# KiCad board paws60.kicad_pcb (continued)
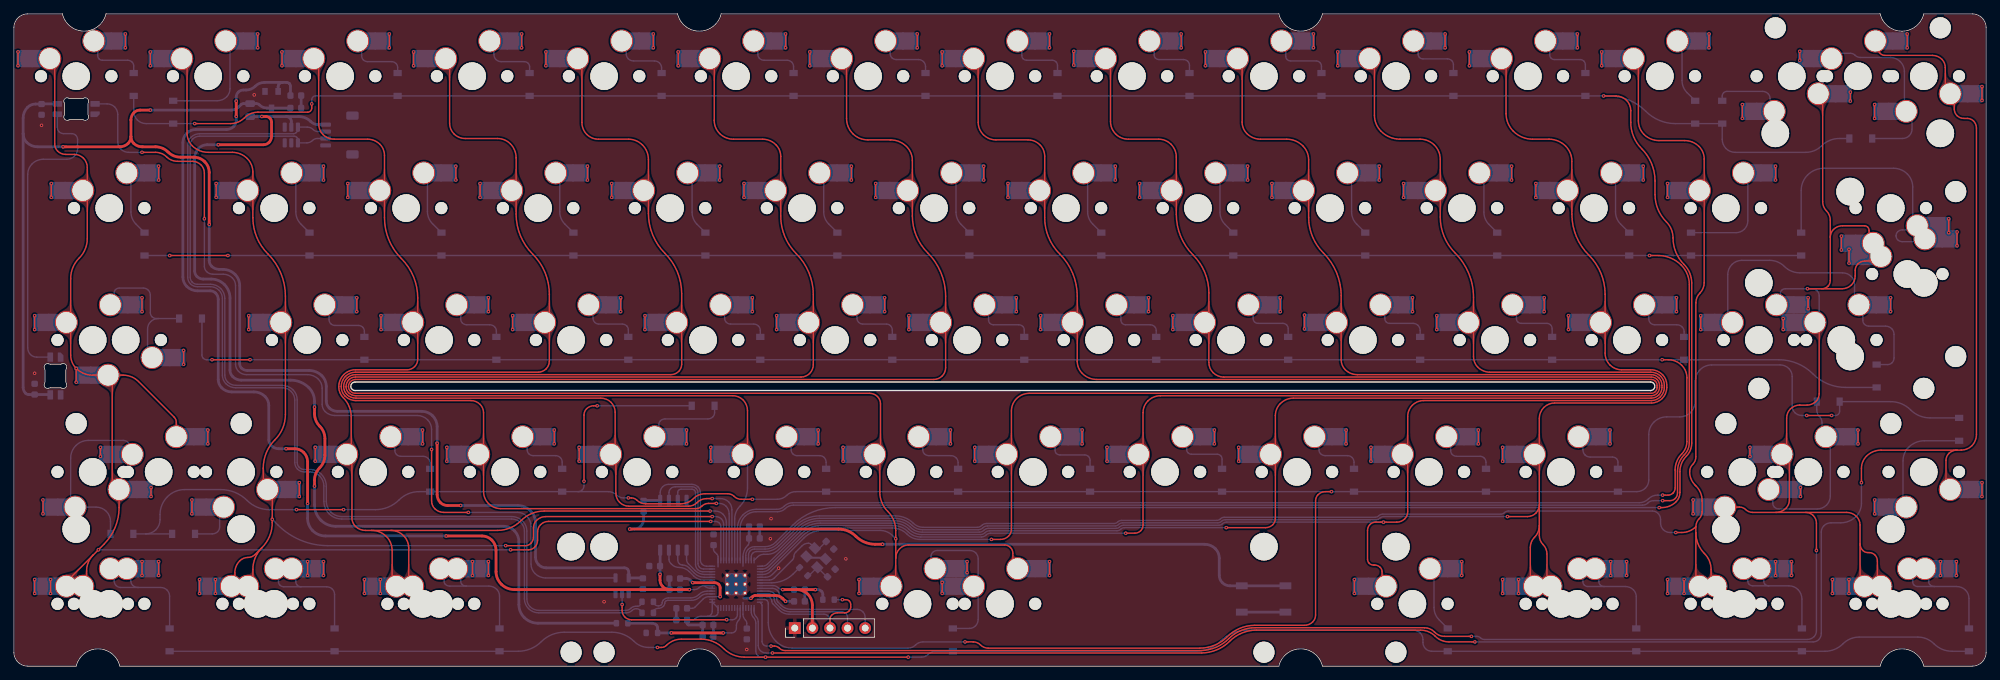
[diagram p0: board, top side]
## Routing (per net, layer and track width the routed paths; a pad name or vN(x,y) marks a point on that pad's centre or on a via; arc(x,y) is an arc through that point) (continued)
D+: length 9.7
  Bottom w0.2: R6.1 92.33,9.08 92.45,8.95 arc(92.73,8.76) 93.05,8.7 arc(93.28,8.75) 93.48,8.88 arc(93.57,9.01) 93.6,9.17 93.6,9.19 arc(93.64,9.38) 93.75,9.55 arc(94.09,9.77) 94.49,9.85 97.71,9.85 arc(98.35,9.98) 98.89,10.34 arc(99.43,10.71) 100.08,10.83 U1.47
D-: length 9.8
  Bottom w0.2: U1.46 100.05,10.43 arc(99.52,10.33) 99.07,10.03 arc(98.49,9.64) 97.81,9.5 94.41,9.5 arc(94.22,9.47) 94.06,9.36 arc(93.98,9.24) 93.95,9.09 93.95,9.06 arc(93.91,8.87) 93.8,8.71 93.71,8.62 arc(93.42,8.42) 93.06,8.35 arc(92.68,8.27) 92.36,8.06 92.33,8.03 R7.1
FLASH_nCS: length 22.6
  Bottom w0.2: U1.56 99.99,14.43 arc(99.65,14.5) 99.36,14.7 arc(99.17,14.98) 99.1,15.32 99.1,25.07 arc(99.01,25.51) 98.76,25.88 arc(98.35,26.16) 97.86,26.25 94.49,26.25 arc(94.04,26.16) 93.65,25.9 arc(93.39,25.51) 93.3,25.05 U2.1
  Bottom w0.4: U2.1 93.27,23.93 90.9,23.93
FLASH_SCK: length 7.4
  Bottom w0.2: U2.6 95.84,15.33 arc(95.89,15.04) 96.06,14.8 arc(96.27,14.65) 96.53,14.6 arc(97.01,14.51) 97.42,14.23 98.23,13.42 arc(98.88,12.99) 99.65,12.83 U1.52
FLASH_SD0: length 6
  Bottom w0.2: U2.5 97.1,15.4 arc(97.17,15.07) 97.36,14.79 98.33,13.82 arc(98.98,13.39) 99.74,13.23 U1.53
FLASH_SD1: length 19
  Bottom w0.2: U2.2 94.57,25.05 arc(94.63,25.36) 94.81,25.63 arc(95.11,25.83) 95.46,25.9 97.91,25.9 arc(98.22,25.84) 98.48,25.67 98.5,25.65 arc(98.68,25.37) 98.75,25.05 98.75,14.83 arc(98.81,14.53) 98.98,14.27 arc(99.24,14.1) 99.56,14.03 U1.55
FLASH_SD2: length 17.6
  Bottom w0.2: U2.3 95.84,25.13 arc(95.86,25.28) 95.95,25.4 arc(96.12,25.51) 96.31,25.55 97.88,25.55 arc(98.08,25.51) 98.25,25.4 arc(98.36,25.24) 98.4,25.05 98.4,14.69 arc(98.48,14.29) 98.71,13.95 arc(99.05,13.72) 99.46,13.63 U1.54
FLASH_SD3: length 8.7
  Bottom w0.2: U2.7 94.57,15.44 arc(94.63,15.12) 94.81,14.84 94.95,14.7 arc(95.45,14.37) 96.03,14.25 arc(96.84,14.09) 97.52,13.63 98.14,13.02 arc(98.79,12.59) 99.55,12.43 U1.51
Row0: length 460.5
  Top w0.2: v1(237.5,22.9) 237.9,22.9 arc(239.01,23.12) 239.95,23.75 arc(240.36,24.36) 240.5,25.08 240.5,28.09 arc(240.74,29.3) 241.43,30.33 arc(242,31.18) 242.2,32.19 242.2,55.32 arc(241.91,56.78) 241.08,58.02 arc(239.91,59.77) 239.5,61.84 arc(239.25,63.1) 238.54,64.16 arc(237.33,65.98) 236.9,68.12 236.9,70.07 arc(236.4,72.59) 234.97,74.73 arc(233.81,76.47) 233.4,78.52 233.4,80.23 arc(233.24,81.03) 232.79,81.71 arc(232.09,82.18) 231.27,82.34 v1(229.48,82.34) ; v1(26.11,78.35) 31.26,78.35 arc(32.36,78.57) 33.29,79.19 arc(34.19,79.79) 35.24,80 42.4,80 arc(42.82,80.18) 43,80.6 v1(43,81.2)
  Bottom w0.2: D15.1 263.49,76.2 arc(262.11,75.93) 260.94,75.14 arc(259.9,74.45) 258.66,74.2 248.47,74.2 arc(247.76,74.34) 247.16,74.74 arc(246.74,75.36) 246.6,76.09 D14.1 D13.1 239.84,78.35 arc(237.54,78.81) 235.59,80.11 arc(233.11,81.77) 230.19,82.35 229.49,82.35 v1(229.48,82.34) 229.47,82.35 D12.1 D3.1 43.55,82.35 arc(43.16,82.19) 43,81.8 v1(43,81.2) ; v1(237.5,22.9) 118.58,22.9 arc(115.25,22.24) 112.43,20.35 109.96,17.88 arc(109.26,17.42) 108.44,17.25 106.94,17.25 arc(106.44,17.15) 106.01,16.86 arc(105.74,16.47) 105.65,16.01 U1.11 ; D1.1 17.3,80.14 arc(17.44,79.46) 17.82,78.88 arc(18.41,78.49) 19.09,78.35 D2.1 26.11,78.35 ; 26.11,78.35 v1(26.11,78.35) 26.11,78.35
Row1: length 420.2
  Top w0.2: v1(30.9,59.3) v1(22.5,59.3) ; v1(238,23.9) 239.05,23.9 arc(239.47,23.98) 239.82,24.22 arc(240.06,24.59) 240.15,25.02 240.15,28.17 arc(240.4,29.44) 241.12,30.52 arc(241.66,31.32) 241.85,32.27 241.85,55.11 arc(241.55,56.63) 240.69,57.92 arc(239.16,58.94) 237.35,59.3 v1(236.1,59.3)
  Bottom w0.2: v1(30.9,59.3) D27.1 v1(236.1,59.3) D28.1 D29.1 ; U1.9 104.85,19.96 arc(105.03,20.87) 105.55,21.65 arc(106.27,22.13) 107.12,22.3 110.24,22.3 arc(110.85,22.42) 111.36,22.76 arc(111.9,23.12) 112.54,23.25 235.12,23.25 arc(235.52,23.33) 235.85,23.55 arc(236.24,23.81) 236.69,23.9 v1(238,23.9) ; D16.1 v1(22.5,59.3)
Row2: length 412.6
  Top w0.2: v1(28.6,44.25) 34.09,44.25 v1(34.09,44.25) ; v1(238,24.7) 238.79,24.7 arc(239.17,24.78) 239.49,24.99 239.51,25.01 arc(239.72,25.33) 239.8,25.72 239.8,28.34 arc(240.05,29.59) 240.76,30.64 arc(241.31,31.47) 241.5,32.44 241.5,41.66 arc(241.31,42.62) 240.76,43.44 arc(239.86,44.04) 238.8,44.25 237.95,44.25
  Bottom w0.2: v1(34.09,44.25) 34.1,44.25 D31.1 237.93,44.25 v1(237.93,44.25) D41.1 254.77,44.25 arc(257.43,43.72) 259.69,42.21 arc(261.86,40.76) 264.42,40.25 D42.1 ; v1(28.6,44.25) 27.84,44.25 arc(27.57,44.3) 27.35,44.45 arc(27.2,44.67) 27.15,44.93 D30.1 ; v1(238,24.7) 237.27,24.7 arc(236.56,24.56) 235.96,24.16 arc(235.34,23.74) 234.61,23.6 112.43,23.6 arc(111.76,23.47) 111.19,23.09 arc(110.71,22.76) 110.13,22.65 107.17,22.65 arc(106.14,22.44) 105.26,21.86 arc(104.66,20.96) 104.45,19.89 U1.8
Row3: length 432
  Top w0.2: v1(84.2,37.6) 83.7,37.6 arc(83.15,37.49) 82.68,37.18 arc(82.4,36.76) 82.3,36.27 v1(82.3,26.7) ; v1(258.8,36.2) v1(262.4,36.2) ; v1(106.6,24.1) 104.98,24.1 arc(104.44,24.21) 103.99,24.51 arc(103.56,24.8) 103.04,24.9 99.78,24.9 arc(98.87,24.72) 98.1,24.2 arc(97.27,23.64) 96.28,23.45 91.2,23.45 arc(90.51,23.59) 89.92,23.98 arc(89.56,24.22) 89.14,24.3 v1(88.7,24.3) ; v1(190.2,25.2) 189.3,25.2 arc(188.75,25.09) 188.27,24.77 arc(188,24.36) 187.9,23.87 187.9,7.38 arc(187.79,6.84) 187.49,6.39 arc(186.95,6.03) 186.3,5.9 179.13,5.9 arc(176.99,5.47) 175.17,4.26 arc(173.33,3.03) 171.16,2.6 140.67,2.6 arc(140.05,2.72) 139.53,3.07 arc(139.05,3.39) 138.49,3.5 v1(137.3,3.5) ; v1(40.8,22.6) v1(47.6,22.6)
  Bottom w0.2: D56.1 276.59,35.85 arc(275.07,36.15) 273.79,37.01 arc(272.47,37.89) 270.92,38.2 D55.1 263.55,36.83 arc(263.5,36.57) 263.35,36.35 arc(263.18,36.24) 262.98,36.2 v1(262.4,36.2) ; v1(137.3,3.5) 131.23,3.5 arc(130.65,3.38) 130.15,3.05 arc(129.65,2.72) 129.06,2.6 112.38,2.6 arc(111.1,2.85) 110.03,3.57 arc(109.19,4.82) 108.9,6.29 108.9,9.04 arc(108.85,9.28) 108.71,9.49 arc(108.55,9.6) 108.35,9.63 U1.27 ; v1(258.8,36.2) 258.07,36.2 arc(257.54,36.31) 257.09,36.61 arc(256.8,37.04) 256.7,37.56 256.7,41.83 arc(256.58,42.45) 256.23,42.97 arc(255.64,43.36) 254.96,43.5 245.07,43.5 arc(244.17,43.32) 243.41,42.81 arc(242.89,42.02) 242.7,41.09 242.7,38.21 arc(242.53,37.37) 242.06,36.66 arc(241.33,36.17) 240.47,36 238.58,36 arc(237.58,35.8) 236.73,35.23 arc(236.19,34.42) 236,33.46 236,26.88 arc(235.87,26.25) 235.52,25.72 arc(234.94,25.33) 234.27,25.2 D54.1 D53.1 v1(190.2,25.2) D48.1 112.87,25.2 arc(112.16,25.06) 111.56,24.66 arc(110.94,24.24) 110.21,24.1 v1(106.6,24.1) ; v1(40.8,22.6) 36.86,22.6 arc(35.14,22.94) 33.68,23.92 arc(31.93,25.09) 29.86,25.5 24.65,25.5 arc(23.31,25.23) 22.18,24.48 arc(21.38,23.28) 21.1,21.88 21.1,21.14 arc(20.95,20.36) 20.51,19.71 arc(19.83,19.26) 19.04,19.1 ; v1(47.6,22.6) 52.2,22.6 arc(54.05,22.97) 55.61,24.01 arc(56.93,24.89) 58.48,25.2 D45.1 D46.1 81.46,25.2 ; v1(82.3,26.7) 82.3,26.07 arc(82.23,25.73) 82.04,25.44 arc(81.77,25.26) 81.46,25.2 ; 81.46,25.2 85.82,25.2 arc(86.45,25.07) 86.98,24.72 arc(87.44,24.41) 87.99,24.3 v1(88.7,24.3) ; D43.1 19.04,19.1 ; 19.04,19.1 D44.1 ; D47.1 v1(84.2,37.6)
Row4: length 274.4
  Top w0.2: v1(129.1,1.3) v1(108.5,1.3) 105.47,1.3 arc(103.83,1.62) 102.45,2.55 arc(100.95,3.55) 99.19,3.9 96.36,3.9 arc(95.2,3.67) 94.21,3.01 94.19,2.99 arc(93.87,2.78) 93.49,2.7 v1(92.9,2.7)
  Bottom w0.2: v1(92.9,2.7) 91.64,2.7 arc(90.49,2.93) 89.52,3.58 arc(88.06,4.56) 86.33,4.9 79.44,4.9 arc(77.65,4.54) 76.13,3.53 arc(74.6,2.51) 72.8,2.15 D59.1 D57.1 ; v1(108.5,1.3) 107.92,1.3 arc(107.62,1.36) 107.37,1.53 arc(107.17,1.83) 107.1,2.19 107.1,6.22 arc(107.01,6.66) 106.76,7.04 arc(106.53,7.38) 106.45,7.79 U1.30 ; v1(129.1,1.3) 131.02,1.3 arc(131.56,1.41) 132.01,1.71 arc(132.5,2.04) 133.07,2.15 D60.1 170.63,2.15 arc(172.59,2.54) 174.25,3.65 arc(175.97,4.8) 177.99,5.2 202.02,5.2 arc(202.56,5.09) 203.01,4.79 arc(203.3,4.36) 203.4,3.85 203.4,3.42 arc(203.5,2.94) 203.77,2.53 arc(204.19,2.25) 204.69,2.15 D61.1 D63.1 261.44,2.15 arc(262.84,2.43) 264.02,3.22 arc(265.11,3.94) 266.39,4.2 274.83,4.2 arc(276.1,3.95) 277.17,3.23 arc(278.37,2.43) 279.78,2.15 D64.1
SWCLK: length 18.7
  Bottom w0.2: U1.24 108.87,10.83 arc(109.38,10.73) 109.81,10.45 arc(110.02,10.12) 110.1,9.74 arc(110.15,9.48) 110.3,9.25 110.77,8.79 arc(111.42,8.35) 112.18,8.2 121.71,8.2 arc(122.16,8.11) 122.55,7.85 arc(122.8,7.48) 122.89,7.04 J2.5
SWDIO: length 15.9
  Bottom w0.2: J2.4 120.35,7.01 arc(120.28,7.33) 120.1,7.6 arc(119.82,7.79) 119.5,7.85 112.04,7.85 arc(111.27,8) 110.62,8.44 110.05,9.01 arc(109.83,9.34) 109.75,9.74 arc(109.7,9.98) 109.56,10.19 arc(109.29,10.37) 108.97,10.43 U1.25
XTAL1: length 12.7
  Bottom w0.2: U1.20 109.05,12.43 arc(109.45,12.51) 109.79,12.74 112.4,15.35 arc(112.55,15.58) 112.6,15.84 arc(112.67,16.17) 112.85,16.45 113.77,17.37 arc(114.19,17.65) 114.69,17.75 arc(114.89,17.72) 115.05,17.61 Y1.3 116.28,17.03 C13.1
XTAL2: length 6.5
  Bottom w0.2: R2.1 112.51,13.33 arc(111.08,12.37) 109.38,12.03 U1.21
~{NRST}: length 21.3
  Top w0.2: J2.3 117.81,6.75 arc(117.87,7.08) 118.06,7.36 arc(118.44,7.61) 118.88,7.7 119.94,7.7 arc(120.27,7.77) 120.56,7.96 arc(120.74,8.23) 120.8,8.54 120.8,8.91 arc(120.75,9.18) 120.59,9.41 arc(120.38,9.55) 120.12,9.6 v1(119.6,9.6)
  Bottom w0.2: R1.2 v1(119.6,9.6) ; J2.3 117.81,6.65 arc(117.74,6.97) 117.56,7.24 arc(117.27,7.43) 116.93,7.5 111.89,7.5 arc(111.13,7.65) 110.48,8.09 109.55,9.02 arc(109.44,9.18) 109.4,9.37 109.4,9.39 arc(109.35,9.63) 109.22,9.84 arc(109,9.98) 108.74,10.03 U1.26
Net-(C14-Pad1): length 3.9
  Bottom w0.2: R2.2 114.77,13.07 Y1.1 117.35,12.91 C14.1
Net-(D1-A): length 11.4
  Top w0.2: v1(16.1,91.3) v1(16.1,89.3)
  Bottom w0.2: D1.2 17.3,86.68 arc(17.24,86.98) 17.07,87.23 arc(16.77,87.43) 16.42,87.5 12.77,87.5 arc(12.52,87.55) 12.31,87.69 arc(12.15,87.92) 12.1,88.19 12.1,89.72 MX1.2
Net-(D2-A): length 18.3
  Top w0.2: v1(35.2,91.3) v1(35.2,89.3)
  Bottom w0.2: MX2.2 31.2,89.67 31.2,83.38 arc(31.07,82.75) 30.72,82.22 arc(30.09,81.8) 29.35,81.65 D2.2
Net-(D3-A): length 11.3
  Top w0.2: v1(54.2,91.3) v1(54.2,89.3)
  Bottom w0.2: MX3.2 50.2,89.72 50.2,88.16 arc(50.27,87.83) 50.45,87.55 arc(50.73,87.36) 51.05,87.3 54.52,87.3 arc(54.87,87.23) 55.17,87.03 arc(55.34,86.78) 55.4,86.47 D3.2
Net-(D4-A): length 11.3
  Top w0.2: v1(73.3,91.3) v1(73.3,89.3)
  Bottom w0.2: D4.2 74.45,86.55 arc(74.39,86.83) 74.24,87.06 arc(73.97,87.24) 73.66,87.3 70.33,87.3 arc(69.93,87.38) 69.59,87.61 arc(69.38,87.93) 69.3,88.32 69.3,89.67 MX4.2
Net-(D5-A): length 11.1
  Top w0.2: v1(92.3,91.3) v1(92.3,89.3)
  Bottom w0.2: MX5.2 88.4,89.62 88.4,88.39 arc(88.47,88.03) 88.68,87.72 arc(89.03,87.48) 89.45,87.4 92.47,87.4 arc(92.87,87.32) 93.21,87.09 arc(93.42,86.77) 93.5,86.38 D5.2
Net-(D6-A): length 11.3
  Top w0.2: v1(111.4,91.3) v1(111.4,89.3)
  Bottom w0.2: D6.2 112.55,86.56 arc(112.48,86.92) 112.28,87.22 arc(111.97,87.43) 111.61,87.5 108.29,87.5 arc(107.93,87.57) 107.62,87.78 arc(107.46,88.02) 107.4,88.31 107.4,89.67 MX6.2
Net-(D7-A): length 11.2
  Top w0.2: v1(130.4,91.3) v1(130.4,89.3)
  Bottom w0.2: MX7.2 126.5,89.62 126.5,88.45 arc(126.56,88.13) 126.74,87.86 arc(127.03,87.67) 127.36,87.6 130.57,87.6 arc(130.97,87.52) 131.3,87.3 arc(131.52,86.97) 131.6,86.58 D7.2
Net-(D8-A): length 11.4
  Top w0.2: v1(149.5,91.3) v1(149.5,89.3)
  Bottom w0.2: D8.2 150.65,86.74 arc(150.59,87.03) 150.43,87.27 arc(150.18,87.44) 149.87,87.5 146.2,87.5 arc(145.92,87.56) 145.69,87.71 arc(145.55,87.92) 145.5,88.17 145.5,89.67 MX8.2
Net-(D9-A): length 11.3
  Top w0.2: v1(168.5,91.3) v1(168.5,89.3)
  Bottom w0.2: D9.2 169.7,86.75 arc(169.64,87.07) 169.45,87.35 arc(169.17,87.54) 168.85,87.6 165.3,87.6 arc(165.02,87.65) 164.79,87.81 arc(164.65,88.02) 164.6,88.27 164.6,89.62 MX9.2
Net-(D10-A): length 11.4
  Top w0.2: v1(187.6,91.3) v1(187.6,89.3)
  Bottom w0.2: D10.2 188.75,86.63 arc(188.69,86.93) 188.52,87.18 arc(188.28,87.34) 187.98,87.4 184.31,87.4 arc(184.02,87.46) 183.78,87.62 arc(183.65,87.82) 183.6,88.06 183.6,89.67 MX10.2
Net-(D11-A): length 11.3
  Top w0.2: v1(206.6,91.3) v1(206.6,89.3)
  Bottom w0.2: D11.2 207.8,86.85 arc(207.74,87.17) 207.56,87.44 arc(207.27,87.63) 206.94,87.7 203.39,87.7 arc(203.12,87.75) 202.89,87.91 arc(202.75,88.12) 202.7,88.37 202.7,89.62 MX11.2
Net-(D12-A): length 11.4
  Top w0.2: v1(225.7,91.3) v1(225.7,89.3)
  Bottom w0.2: MX12.2 221.7,89.67 221.7,88.27 arc(221.75,88.02) 221.89,87.81 arc(222.12,87.65) 222.39,87.6 226.08,87.6 arc(226.38,87.54) 226.63,87.37 arc(226.79,87.13) 226.85,86.83 D12.2
Net-(D13-A): length 11.6
  Top w0.2: v1(244.7,91.3) v1(244.7,89.3)
  Bottom w0.2: MX13.2 240.8,89.62 240.8,84.59 arc(240.99,83.63) 241.53,82.82 D13.2
Net-(D14-A): length 12.6
  Top w0.2: v1(249.5,81.1) v1(249.5,79.1)
  Bottom w0.2: MX14.2 253.5,80.73 253.5,82.02 arc(253.43,82.37) 253.23,82.67 arc(252.86,82.91) 252.43,83 247.28,83 arc(247.02,82.95) 246.8,82.8 arc(246.65,82.58) 246.6,82.31 D14.2
Net-(D15-A): length 30.8
  Top w0.2: v1(257.8,88.8) v1(257.8,87.5) ; v1(268.6,81.1) v1(268.6,79.1)
  Bottom w0.2: D15.2 272.63,76.2 arc(273.16,76.3) 273.6,76.6 arc(273.9,77.04) 274,77.56 274,79.28 MX16.2 272.9,80.38 272.9,85.87 arc(272.75,86.64) 272.31,87.29 272.29,87.31 arc(271.64,87.75) 270.87,87.9 266.55,87.9 arc(266.13,87.98) 265.78,88.22 arc(265.47,88.43) 265.11,88.5 263.13,88.5 MX15.1
Net-(D16-A): length 11.6
  Top w0.2: v1(20.9,72.2) v1(20.9,70.2)
  Bottom w0.2: D16.2 17.63,63.83 arc(17.09,64.64) 16.9,65.6 16.9,70.63 MX17.2
Net-(D17-A): length 11.6
  Top w0.2: v1(44.7,72.2) v1(44.7,70.2)
  Bottom w0.2: D17.2 41.43,63.84 arc(40.89,64.65) 40.7,65.61 40.7,70.65 MX18.2
Net-(D18-A): length 11.6
  Top w0.2: v1(63.8,72.2) v1(63.8,70.2)
  Bottom w0.2: MX19.2 59.7,70.7 59.7,65.66 arc(59.89,64.7) 60.43,63.89 D18.2
Net-(D19-A): length 11.6
  Top w0.2: v1(82.8,72.2) v1(82.8,70.2)
  Bottom w0.2: D19.2 79.53,63.84 arc(78.99,64.65) 78.8,65.61 78.8,70.65 MX20.2
Net-(D20-A): length 11.6
  Top w0.2: v1(101.9,72.2) v1(101.9,70.2)
  Bottom w0.2: MX21.2 97.9,70.6 97.9,65.56 arc(98.09,64.6) 98.63,63.79 D20.2
Net-(D21-A): length 11.6
  Top w0.2: v1(120.9,72.2) v1(120.9,70.2)
  Bottom w0.2: D21.2 117.63,63.84 arc(117.09,64.65) 116.9,65.61 116.9,70.65 MX22.2
Net-(D22-A): length 11.6
  Top w0.2: v1(140,72.2) v1(140,70.2)
  Bottom w0.2: MX23.2 136,70.6 136,65.56 arc(136.19,64.6) 136.73,63.79 D22.2
Net-(D23-A): length 11.6
  Top w0.2: v1(159,72.2) v1(159,70.2)
  Bottom w0.2: MX24.2 155,70.65 155,65.61 arc(155.19,64.65) 155.73,63.84 D23.2
Net-(D24-A): length 11.6
  Top w0.2: v1(178.1,72.2) v1(178.1,70.2)
  Bottom w0.2: D24.2 174.83,63.79 arc(174.29,64.6) 174.1,65.56 174.1,70.6 MX25.2
Net-(D25-A): length 11.6
  Top w0.2: v1(197.1,72.2) v1(197.1,70.2)
  Bottom w0.2: MX26.2 193.1,70.65 193.1,65.61 arc(193.29,64.65) 193.83,63.84 D25.2
Net-(D26-A): length 11.6
  Top w0.2: v1(216.2,70.2) v1(216.2,72.2)
  Bottom w0.2: MX27.2 212.2,70.6 212.2,65.56 arc(212.39,64.6) 212.93,63.79 D26.2
Net-(D27-A): length 11.6
  Top w0.2: v1(235.2,72.2) v1(235.2,70.2)
  Bottom w0.2: 230.62,71.23 231.2,70.65 231.2,65.61 arc(231.39,64.65) 231.93,63.84 D27.2
Net-(D28-A): length 18.4
  Top w0.2: v1(254.3,72.2) v1(254.3,70.2)
  Bottom w0.2: D28.2 248.6,62.6 arc(249.25,62.73) 249.8,63.1 arc(250.17,63.65) 250.3,64.31 250.3,70.6 MX29.2
Net-(D29-A): length 44
  Top w0.2: v1(280.5,62.7) v1(280.5,60.7) ; v1(279.3,64.6) v1(279.3,62.6)
  Bottom w0.2: 275.86,61.71 275.45,61.3 272.59,61.3 arc(272.23,61.37) 271.92,61.58 arc(271.76,61.82) 271.7,62.11 271.7,62.18 arc(271.76,62.48) 271.93,62.73 arc(272.23,62.93) 272.59,63 274.14,63 MX30.1 274.1,64.26 274.1,69.2 arc(273.9,70.22) 273.33,71.07 arc(272.41,71.69) 271.33,71.9 261.28,71.9 arc(260,71.65) 258.93,70.93 arc(258.24,69.9) 258,68.69 D29.2
Net-(D30-A): length 26.1
  Top w0.2: v1(18.5,53.2) v1(18.5,51.2) ; v1(24.5,45.6) v1(24.5,43.6)
  Bottom w0.2: MX33.1 19.3,45.21 19.3,48.68 arc(19.41,49.25) 19.74,49.74 arc(20.25,50.08) 20.85,50.2 ; MX32.2 14.5,52.76 14.5,53.96 arc(14.54,54.18) 14.67,54.37 arc(14.92,54.54) 15.22,54.6 18.68,54.6 arc(19.07,54.52) 19.4,54.3 arc(19.62,53.97) 19.7,53.58 19.7,51.04 arc(19.76,50.73) 19.94,50.46 arc(20.23,50.27) 20.57,50.2 20.85,50.2 ; 20.85,50.2 D30.2
Net-(D31-A): length 11.3
  Top w0.2: v1(49.5,53.2) v1(49.5,51.2)
  Bottom w0.2: D31.2 50.6,48.35 arc(50.54,48.67) 50.35,48.95 arc(50.07,49.13) 49.74,49.2 46.37,49.2 arc(46.03,49.27) 45.74,49.46 arc(45.56,49.73) 45.5,50.04 45.5,51.56 MX34.2
Net-(D32-A): length 11.2
  Top w0.2: v1(68.5,53.2) v1(68.5,51.2)
  Bottom w0.2: D32.2 69.65,48.38 arc(69.58,48.72) 69.39,49.01 arc(69.07,49.22) 68.69,49.3 65.38,49.3 arc(65.03,49.37) 64.73,49.57 arc(64.56,49.82) 64.5,50.13 64.5,51.61 MX35.2
Net-(D33-A): length 11.3
  Top w0.2: v1(87.6,53.2) v1(87.6,51.2)
  Bottom w0.2: MX36.2 83.6,51.56 83.6,50.26 arc(83.67,49.93) 83.86,49.64 arc(84.13,49.46) 84.44,49.4 87.81,49.4 arc(88.17,49.33) 88.47,49.13 arc(88.64,48.88) 88.7,48.58 D33.2
Net-(D34-A): length 11.2
  Top w0.2: v1(106.6,53.2) v1(106.6,51.2)
  Bottom w0.2: D34.2 107.75,48.47 arc(107.68,48.82) 107.48,49.12 arc(107.17,49.33) 106.8,49.4 103.47,49.4 arc(103.13,49.47) 102.84,49.66 arc(102.66,49.93) 102.6,50.24 102.6,51.61 MX37.2
Net-(D35-A): length 11.3
  Top w0.2: v1(125.7,53.2) v1(125.7,51.2)
  Bottom w0.2: MX38.2 121.7,51.56 121.7,50.25 arc(121.77,49.93) 121.95,49.65 arc(122.23,49.46) 122.55,49.4 125.97,49.4 arc(126.28,49.34) 126.53,49.17 arc(126.73,48.87) 126.8,48.52 D35.2
Net-(D36-A): length 11.4
  Top w0.2: v1(144.7,53.2) v1(144.7,51.2)
  Bottom w0.2: MX39.2 140.7,51.61 140.7,49.96 arc(140.75,49.72) 140.89,49.51 arc(141.12,49.36) 141.4,49.3 145.06,49.3 arc(145.37,49.24) 145.64,49.06 arc(145.8,48.83) 145.85,48.56 D36.2
Net-(D37-A): length 11.3
  Top w0.2: v1(163.8,53.2) v1(163.8,51.2)
  Bottom w0.2: D37.2 164.9,48.46 arc(164.84,48.77) 164.66,49.04 arc(164.37,49.23) 164.03,49.3 160.48,49.3 arc(160.22,49.35) 160.01,49.49 arc(159.85,49.72) 159.8,49.99 159.8,51.56 MX40.2
Net-(D38-A): length 11.3
  Top w0.2: v1(182.8,53.2) v1(182.8,51.2)
  Bottom w0.2: MX41.2 178.9,51.51 178.9,50.16 arc(178.95,49.92) 179.08,49.72 arc(179.32,49.56) 179.61,49.5 183.18,49.5 arc(183.48,49.44) 183.73,49.27 arc(183.89,49.03) 183.95,48.74 D38.2
Net-(D39-A): length 11.3
  Top w0.2: v1(201.9,53.2) v1(201.9,51.2)
  Bottom w0.2: MX42.2 197.9,51.56 197.9,50.18 arc(197.95,49.92) 198.1,49.7 arc(198.32,49.55) 198.58,49.5 201.99,49.5 arc(202.37,49.42) 202.69,49.21 arc(202.92,48.87) 203,48.47 D39.2
Net-(D40-A): length 11.4
  Top w0.2: v1(220.9,53.2) v1(220.9,51.2)
  Bottom w0.2: D40.2 222.05,48.71 arc(221.99,49.02) 221.81,49.29 arc(221.58,49.45) 221.3,49.5 217.61,49.5 arc(217.32,49.56) 217.08,49.72 arc(216.95,49.92) 216.9,50.15 216.9,51.61 MX43.2
Net-(D41-A): length 11.2
  Top w0.2: v1(240,53.2) v1(240,51.2)
  Bottom w0.2: D41.2 241.1,48.31 arc(241.03,48.67) 240.82,48.98 arc(240.47,49.22) 240.05,49.3 236.87,49.3 arc(236.53,49.37) 236.24,49.56 arc(236.06,49.83) 236,50.14 236,51.56 MX44.2
Net-(D42-A): length 49.9
  Top w0.2: v1(270.9,53.2) v1(270.9,51.2) ; v1(243.5,50.6) v1(243.5,48.6)
  Bottom w0.2: MX46.1 247.4,50.32 247.4,56.52 arc(247.56,57.33) 248.02,58.02 arc(248.66,58.45) 249.42,58.6 253.45,58.6 arc(254.61,58.37) 255.58,57.72 arc(256.6,57.04) 257.8,56.8 263.96,56.8 arc(264.64,56.66) 265.22,56.28 arc(265.58,55.75) 265.7,55.12 265.7,52.81 MX45.2 266.9,51.61 266.9,49.94 arc(266.96,49.63) 267.14,49.36 arc(267.43,49.17) 267.76,49.1 270.18,49.1 arc(270.66,49.01) 271.07,48.73 arc(271.31,48.36) 271.4,47.93 271.4,44.5 arc(271.33,44.13) 271.11,43.81 arc(270.82,43.62) 270.48,43.55 D42.2
Net-(D43-A): length 30.5
  Top w0.2: v1(4.2,24) v1(4.2,22) ; v1(12.5,30.3) v1(12.5,31.6)
  Bottom w0.2: MX48.1 17.1,31.7 16.49,32.31 arc(16.17,32.52) 15.79,32.6 10.76,32.6 arc(9.78,32.41) 8.95,31.85 arc(8.4,31.02) 8.2,30.04 8.2,23.61 MX47.2 11.86,22.97 arc(12.66,22.81) 13.34,22.36 arc(13.79,21.68) 13.95,20.89 D43.2
Net-(D44-A): length 9.2
  Top w0.2: v1(25.7,24) v1(25.7,22)
  Bottom w0.2: D44.2 28.65,19.1 arc(29.07,19.18) 29.42,19.42 arc(29.63,19.73) 29.7,20.09 29.7,22.4 MX49.2
Net-(D45-A): length 11.2
  Top w0.2: v1(59,34.1) v1(59,32.1)
  Bottom w0.2: D45.2 60.1,29.29 arc(60.02,29.67) 59.81,29.99 arc(59.47,30.22) 59.06,30.3 55.88,30.3 arc(55.53,30.37) 55.23,30.57 arc(55.06,30.83) 55,31.13 55,32.53 MX50.2
Net-(D46-A): length 11.2
  Top w0.2: v1(78,34.1) v1(78,32.1)
  Bottom w0.2: D46.2 79.15,29.48 arc(79.08,29.82) 78.89,30.11 arc(78.57,30.33) 78.19,30.4 74.97,30.4 arc(74.63,30.47) 74.34,30.66 arc(74.16,30.93) 74.1,31.24 74.1,32.48 MX51.2
Net-(D47-A): length 14
  Top w0.2: v1(97.1,34.1) v1(97.1,32.1)
  Bottom w0.2: MX52.2 93.1,33.73 93.1,34.88 arc(93.16,35.18) 93.32,35.42 arc(93.63,35.63) 93.99,35.7 100.17,35.7 arc(100.57,35.78) 100.91,36.01 arc(101.09,36.28) 101.15,36.6 D47.2
Net-(D48-A): length 11.2
  Top w0.2: v1(116.1,34.1) v1(116.1,32.1)
  Bottom w0.2: MX53.2 112.2,32.48 112.2,31.26 arc(112.27,30.93) 112.45,30.65 arc(112.73,30.46) 113.05,30.4 116.33,30.4 arc(116.67,30.33) 116.96,30.14 arc(117.17,29.82) 117.25,29.44 D48.2
Net-(D49-A): length 11.2
  Top w0.2: v1(135.2,34.1) v1(135.2,32.1)
  Bottom w0.2: MX54.2 131.2,32.53 131.2,31.23 arc(131.26,30.92) 131.43,30.67 arc(131.73,30.47) 132.08,30.4 135.25,30.4 arc(135.67,30.32) 136.02,30.08 arc(136.23,29.77) 136.3,29.4 D49.2
Net-(D50-A): length 11.3
  Top w0.2: v1(154.2,34.1) v1(154.2,32.1)
  Bottom w0.2: D50.2 155.35,29.73 arc(155.29,30.03) 155.12,30.28 arc(154.88,30.44) 154.59,30.5 151.01,30.5 arc(150.72,30.56) 150.48,30.72 arc(150.35,30.92) 150.3,31.15 150.3,32.48 MX55.2
Net-(D51-A): length 11.4
  Top w0.2: v1(173.3,34.1) v1(173.3,32.1)
  Bottom w0.2: D51.2 174.4,29.92 arc(174.35,30.18) 174.2,30.4 arc(173.98,30.55) 173.72,30.6 170.01,30.6 arc(169.72,30.66) 169.48,30.82 arc(169.35,31.02) 169.3,31.26 169.3,32.53 MX56.2
Net-(D52-A): length 11.2
  Top w0.2: v1(192.3,34.1) v1(192.3,32.1)
  Bottom w0.2: MX57.2 188.4,32.48 188.4,31.22 arc(188.46,30.92) 188.63,30.67 arc(188.93,30.47) 189.29,30.4 192.51,30.4 arc(192.87,30.33) 193.17,30.13 arc(193.38,29.82) 193.45,29.46 D52.2
Net-(D53-A): length 11.2
  Top w0.2: v1(211.4,34.1) v1(211.4,32.1)
  Bottom w0.2: MX58.2 207.4,32.53 207.4,31.13 arc(207.46,30.83) 207.64,30.56 arc(207.93,30.37) 208.27,30.3 211.66,30.3 arc(211.97,30.24) 212.24,30.06 arc(212.43,29.77) 212.5,29.43 D53.2
Net-(D54-A): length 11.2
  Top w0.2: v1(230.4,34.1) v1(230.4,32.1)
  Bottom w0.2: D54.2 231.55,29.47 arc(231.5,29.73) 231.35,29.95 arc(231.07,30.14) 230.75,30.2 227.51,30.2 arc(227.13,30.28) 226.81,30.49 226.79,30.51 arc(226.58,30.83) 226.5,31.21 226.5,32.48 MX59.2
Net-(D55-A): length 29.7
  Top w0.2: v1(257.9,25.8) v1(257.9,24.5) ; v1(266.2,34.1) v1(266.2,32.1)
  Bottom w0.2: MX60.1 253.9,24.93 253.9,23.53 arc(253.96,23.23) 254.14,22.96 arc(254.43,22.77) 254.77,22.7 260.31,22.7 arc(261.04,22.85) 261.66,23.26 arc(262.06,23.86) 262.2,24.57 262.2,32.5 MX61.2 261,33.7 261,35.21 arc(260.91,35.66) 260.65,36.05 arc(260.35,36.49) 260.25,37.02 D55.2
Net-(D56-A): length 18.6
  Top w0.2: v1(268.6,24) v1(268.6,22)
  Bottom w0.2: D56.2 275.77,32.55 arc(274.55,32.31) 273.51,31.61 arc(272.91,30.71) 272.7,29.65 272.7,23.43 MX62.2
Net-(D57-A): length 23.5
  Top w0.2: v1(18.5,15.1) v1(18.5,13.1) ; v1(20.9,15.1) v1(20.9,13.1)
  Bottom w0.2: D57.2 22.48,10.09 arc(22.38,10.58) 22.11,10.99 arc(21.7,11.27) 21.21,11.36 17.95,11.36 ; MX63.2 14.5,13.5 14.5,12.26 arc(14.57,11.93) 14.76,11.64 arc(15.07,11.44) 15.44,11.36 17.95,11.36 ; 17.95,11.36 17.91,11.36 arc(17.5,11.45) 17.15,11.68 arc(16.96,11.95) 16.9,12.27 16.9,13.48 MX71.2
Net-(D58-A): length 23.4
  Top w0.2: v1(42.4,15.1) v1(42.4,13.1) ; v1(44.7,15.1) v1(44.7,13.1)
  Bottom w0.2: MX64.2 38.2,13.61 38.2,12.18 arc(38.25,11.92) 38.4,11.7 arc(38.66,11.53) 38.97,11.46 41.45,11.46 ; D58.2 46.29,10.36 arc(46.21,10.77) 45.98,11.12 arc(45.6,11.37) 45.15,11.46 41.45,11.46 ; 41.45,11.46 arc(41.16,11.52) 40.92,11.68 arc(40.76,11.92) 40.7,12.21 40.7,13.5 MX72.2